# Altium PCB PCB_MOPA.PcbDoc (part 2 of 2)
Units mm, origin at the board's own origin, x right, y up, seen from the top; angles counter-clockwise.
Board outline 65 x 56 mm, 4 copper layers (Top Layer, Top Ref, Bottom Ref, Bottom Layer), stack 1.566 mm thick; 129 components, 95 nets, 517 pads, 233 vias.
Unrouted connection lines stored in the file: 39.
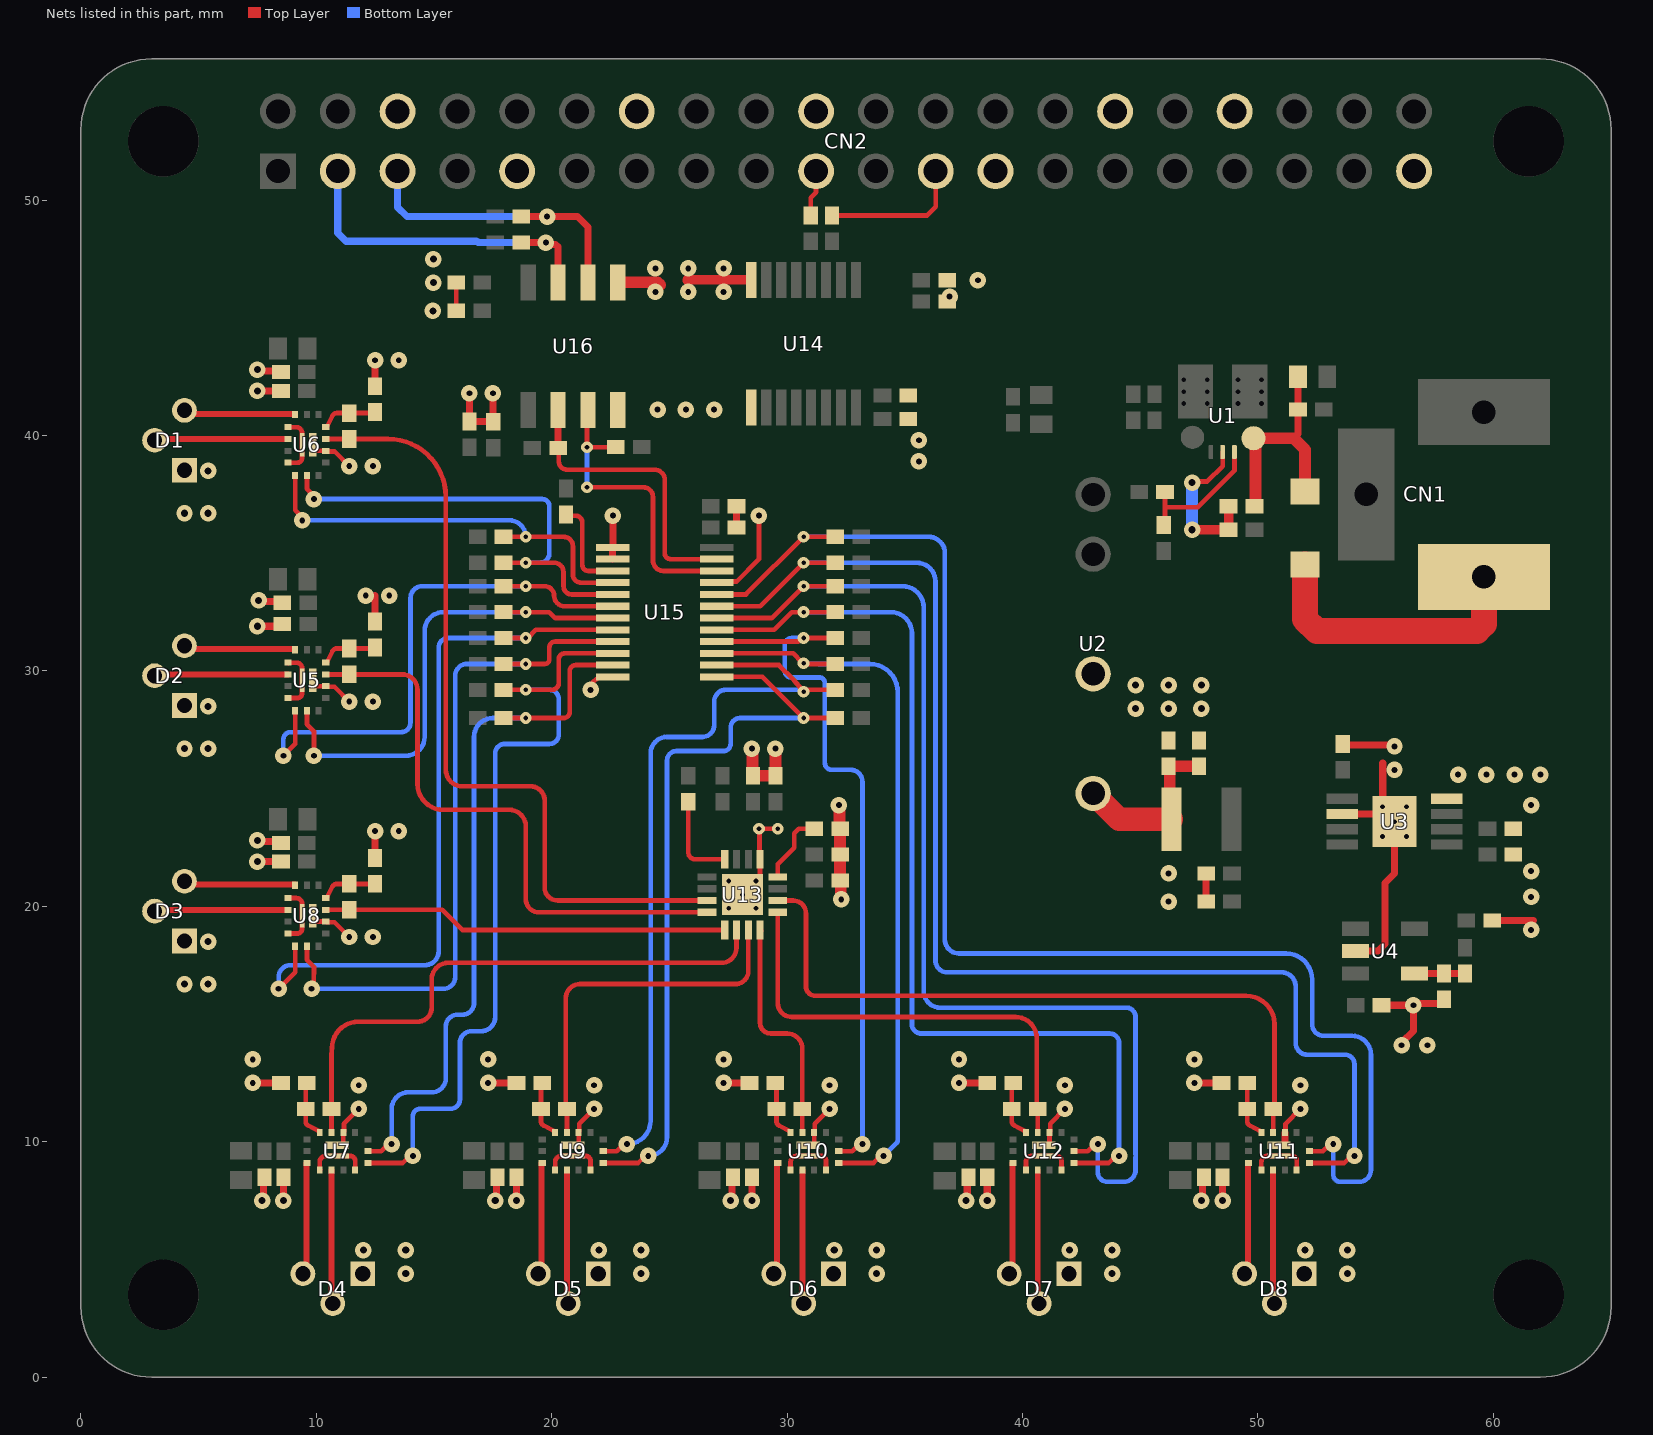
[diagram p4: the nets of this part, all layers, seen from the top]

## Via types
v1: diameter 0.7, hole 0.25, Top Layer to Bottom Layer, tented both sides, 109 vias
v2: diameter 0.7, hole 0.3, Top Layer to Bottom Layer, tented both sides, 97 vias
v3: diameter 0.5, hole 0.2, Top Layer to Bottom Layer, tented both sides, 24 vias
v4: diameter 1.4, hole 0.6, Top Layer to Bottom Layer, tented both sides, 2 vias
v5: diameter 1, hole 0.5, Top Layer to Bottom Layer, tented both sides, 1 vias

## Nets (pads, with @x,y where several pads share a name; then routed paths per layer and width w, separated by ;. In a path a pad name is that pad's centre, name@x,y a point inside that pad or via, vN(x,y) a via of type N, cw(c..) or ccw(c..) an arc to the next point about the centre after c; other vN are vias at no path point) (continued)
GND2: C7.1 C8.1 C9.1 C10.1 C11.1 C12.1 C13.1 C14.1 C15.1 C16.1 C17.1 C18.1 C19.1 C20.1 C21.1 C22.1 C23.1 C24.1 C25.1 C26.1 C27.1 C28.1 C29.1 C30.1 C31.1 C32.1 C33.1 C34.1 C35.1 C36.1 C37.1 C38.1 C41.1 C42.1 C43.1 C46.1 D1.1 D2.1 D3.1 D4.1 D5.1 D6.1 D7.1 D8.1 R6.2 R13.2 R14.2 R21.2 R22.2 R29.2 R30.2 R37.2 R38.2 U2.4 U3.4 U3.6 U3.9 U4.2 U5.9 U5.16 U6.9 U6.16 U7.9 U7.16 U8.9 U8.16 U9.9 U9.16 U10.9 U10.16 U11.9 U11.16 U12.9 U12.16 U13.9 U13.17 U14.9 U15.1 U15.2 U15.12 U15.21 U16.4 | length 83.4
  Top Layer w0.2: U8.16@9.85,19.605 9.85,19.407 9.902,19.355 U8.9@10.4,19.355 ; U5.16@9.85,29.605 9.85,29.407 9.902,29.355 U5.9@10.4,29.355 ; U6.16@9.85,39.605 9.85,39.407 9.902,39.355 U6.9@10.4,39.355 ; U8.9@10.427,19.328 10.772,19.328 v1(11.4,18.7) ; U5.9@10.427,29.328 10.772,29.328 v1(11.4,28.7) ; U6.9@10.427,39.328 10.772,39.328 v1(11.4,38.7) ; U7.16@10.895,9.85 11.093,9.85 11.145,9.902 U7.9@11.145,10.4 ; U7.9@11.172,10.427 11.172,10.772 v1(11.8,11.4) ; U9.16@20.895,9.85 21.093,9.85 21.145,9.902 U9.9@21.145,10.4 ; U9.9@21.172,10.427 21.172,10.772 v1(21.8,11.4) ; v1(21.65,29.2) cw(c22.2,29.2) 22.2,29.75 U15.12@22.588,29.75 ; U15.21@27.012,33.75 27.062,33.8 27.849,33.8 28.8,34.751 v1(28.8,36.6) ; U13.17@28.68,21.08 ccw(c28.27,21.49) 28.85,21.49 U13.9@28.85,22 28.825,22.025 28.825,23.275 v3(28.8,23.3) v3(29.6,23.3) ; U10.16@30.895,9.85 31.093,9.85 31.145,9.902 U10.9@31.145,10.4 ; U10.9@31.172,10.427 31.172,10.772 v1(31.8,11.4) ; U12.16@40.895,9.85 41.093,9.85 41.145,9.902 U12.9@41.145,10.4 ; U12.9@41.172,10.427 41.172,10.772 v1(41.8,11.4) ; U11.16@50.895,9.85 51.093,9.85 U11.16@51.145,9.902 ; U11.9@51.145,10.4 51.172,10.427 51.172,10.772 v1(51.8,11.4)
  Top Layer w0.3: v1(7.3,12.5) R21.2@8.45,12.5 ; v2(7.5,21.9) C22.1@8.5,21.9 ; v2(7.5,31.9) C16.1@8.5,31.9 ; v2(7.5,41.9) C18.1@8.5,41.9 ; v2@7.55,22.75 C23.1@8.45,22.75 ; v2@7.55,42.75 C19.1@8.45,42.75 ; v2@7.6,32.95 C17.1@8.5,32.95 ; v2@7.75,7.55 C21.1@7.75,8.45 ; v2(8.6,7.5) C20.1@8.6,8.5 ; R22.2@12.495,22.055 12.498,22.057 12.498,23.198 v1(12.5,23.2) ; R13.2@12.5,32.05 12.5,33.2 ; R14.2@12.5,42.05 R14.2@12.5,42.1 v1(12.5,43.2) ; v1(16.5,41.8) C42.1@16.5,40.6 16.507,40.593 17.507,40.593 17.507,41.793 v1(17.5,41.8) ; v1(17.3,12.5) R29.2@18.45,12.5 ; v2@17.65,7.55 C25.1@17.65,8.45 ; v2(18.5,7.5) C24.1@18.5,8.5 ; U15.2@22.588,34.75 U15.1@22.588,35.25 22.6,35.25 v1(22.6,36.6) ; v1(27.3,12.5) R30.2@28.45,12.5 ; v2@27.65,7.55 C27.1@27.65,8.45 ; C41.1@27.85,36.1 C46.1@27.85,37 ; v2(28.5,7.5) C26.1@28.5,8.5 ; v1@28.75,36.55 ccw(c28.75,36.6) v1(28.8,36.6) ; v1(37.3,12.5) R38.2@38.45,12.5 ; v2(37.6,7.5) 37.65,7.55 37.65,8.45 C31.1@37.7,8.5 ; v2(38.5,7.5) C30.1@38.5,8.5 ; v1(47.3,12.5) R37.2@48.45,12.5 ; v2@47.65,7.55 C29.1@47.65,8.45 ; C10.1@47.8,20.2 C9.1@47.8,21.4 ; v2(48.5,7.5) C28.1@48.5,8.5 ; U11.16@51.145,9.902 U11.9@51.145,10.4 ; U3.6@53.584,23.925 55.421,23.925 55.746,23.6 U3.9@55.8,23.6 55.8,21.4 55.4,21 55.4,18.4 55.1,18.1 U4.2@54.15,18.1 ; C11.1@53.6,26.9 53.65,26.85 55.75,26.85 v1(55.8,26.8) ; C15.1@55.25,15.8 v1(56.6,15.8) ; U3.9@55.292,24.235 55.3,24.243 55.3,26.1 ; v1(56.1,14.1) 56.1,14.208 56.6,14.708 v1(56.6,15.8) ; R6.2@57.9,16.05 57.9,16.027 57.75,15.877 56.677,15.877 v1(56.6,15.8) ; C14.1@59.95,19.4 61.7,19.4
  Top Layer w0.5: v1(28.5,26.7) 28.525,26.675 28.525,25.575 C32.1@28.55,25.55 C33.1@29.5,25.55 v1(29.5,26.7) ; v1(32.2,24.3) 32.225,24.275 32.225,23.325 C36.1@32.25,23.3 C34.1@32.25,22.2 C35.1@32.25,21.1 32.275,21.075 32.275,20.325 v1(32.3,20.3)
  other v1: 11.8,12.4 21.8,12.4 31.8,12.4 41.8,12.4 51.8,12.4 7.3,13.5 17.3,13.5 27.3,13.5 37.3,13.5 47.3,13.5 57.2,14.1 12.4,18.7 61.6,19 46.2,20.2 61.6,20.4 46.2,21.4 61.6,21.5 13.5,23.2 61.6,24.3 58.5,25.6 59.7,25.6 60.9,25.6 62,25.6 55.8,25.8 12.4,28.7 12.1,33.2 13.1,33.2 12.4,38.7 35.6,38.9 35.6,39.8 24.5,41.1 25.7,41.1 26.9,41.1 13.5,43.2
  other v2: 13.8,4.4 23.8,4.4 33.8,4.4 43.8,4.4 53.8,4.4 12,5.4 13.8,5.4 22,5.4 23.8,5.4 32,5.4 33.8,5.4 42,5.4 43.8,5.4 52,5.4 53.8,5.4 7.7,7.5 17.6,7.5 27.6,7.5 47.6,7.5 4.4,16.7 5.4,16.7 5.4,18.5 7.5,22.8 4.4,26.7 5.4,26.7 44.8,28.4 46.2,28.4 47.6,28.4 5.4,28.5 44.8,29.4 46.2,29.4 47.6,29.4 7.55,33 4.4,36.7 5.4,36.7 5.4,38.5 7.5,42.8
GNDRB: C39.1 C40.1 C44.1 C45.1 CN2.6 CN2.9 CN2.14 CN2.20 CN2.25 CN2.30 CN2.34 CN2.39 U14.8 U16.5 | length 5.7
  Top Layer w0.2: C45.1@15.95,45.3 C44.1@15.95,46.5
  Top Layer w0.4: 25.811,46.611 U14.8@28.478,46.611
  Top Layer w0.5: U16.5@22.805,46.512 24.488,46.512 24.6,46.4 ; 25.8,46.6 25.811,46.611
  other v1: 36.9,45.9 24.4,46.1 25.8,46.1 27.3,46.1 38.1,46.6 24.4,47.1 25.8,47.1 27.3,47.1
  other v2: 14.95,45.3 14.975,46.5 14.975,47.5
NetC3_2: C3.2 C4.2 DF1.1 R2.1 U1.1 | length 9.8
  Top Layer w0.2: DF1.1@51.996,37.625 DF1.1@52.046,37.625
  Top Layer w0.3: 51.513,39.887 51.7,40.075 C4.2@51.7,41.1 C3.2@51.7,42.5
  Top Layer w0.5: U1.1@49.812,39.887 U1.1@49.9,39.887 ; R2.1@49.85,37 49.9,37.05 U1.1@49.9,39.887 ; DF1.1@51.996,37.625 52,37.629 52,39.4 51.513,39.887 U1.1@49.9,39.887
NetC7_2: C7.2 C8.2 LF1.2 U2.6 | length 7.4
  Top Layer w0.5: LF1.2@46.324,23.7 46.25,23.774 46.25,25.9 C8.2@46.2,25.95 C7.2@47.5,25.95
  Top Layer w1: U2.6@43,24.8 44.1,23.7 LF1.2@46.324,23.7
NetC36_2: C36.2 U13.8 | length 3.1
  Top Layer w0.2: U13.8@29.6,21.25 29.6,21.8 30.3,22.5 30.3,23.1 30.5,23.3 C36.2@31.15,23.3
NetCN2_19: CN2.19 R46.1 | length 2
  Top Layer w0.2: R46.1@31,49.35 31,50.1 31.23,50.33 CN2.19@31.23,51.23
NetCN2_23: CN2.23 R47.1 | length 5.8
  Top Layer w0.2: 32.2,49.35 35.95,49.35 36.317,49.717 36.317,50.161 36.31,50.168 CN2.23@36.31,51.23
NetD1_2: D1.2 U6.14 | length 4.8
  Top Layer w0.254: D1.2@4.4,41.07 4.545,40.925 U6.14@9.1,40.925
NetD1_3: D1.3 U6.2 | length 5.7
  Top Layer w0.254: D1.3@3.13,39.8 3.185,39.855 U6.2@8.8,39.855
NetD2_2: D2.2 U5.14 | length 4.8
  Top Layer w0.254: D2.2@4.4,31.07 4.545,30.925 U5.14@9.1,30.925
NetD2_3: D2.3 U5.2 | length 5.7
  Top Layer w0.254: D2.3@3.13,29.8 3.185,29.855 U5.2@8.8,29.855
NetD3_2: D3.2 U8.14 | length 4.8
  Top Layer w0.254: D3.2@4.4,21.07 4.545,20.925 U8.14@9.1,20.925
NetD3_3: D3.3 U8.2 | length 5.7
  Top Layer w0.254: D3.3@3.13,19.8 3.185,19.855 U8.2@8.8,19.855
NetD4_2: D4.2 U7.14 | length 4.8
  Top Layer w0.254: D4.2@9.43,4.4 9.575,4.545 U7.14@9.575,9.1
NetD4_3: D4.3 U7.2 | length 5.7
  Top Layer w0.254: U7.2@10.645,8.8 10.645,3.185 D4.3@10.7,3.13
NetD5_2: D5.2 U9.14 | length 4.8
  Top Layer w0.254: D5.2@19.43,4.4 19.575,4.545 U9.14@19.575,9.1
NetD5_3: D5.3 U9.2 | length 5.7
  Top Layer w0.254: U9.2@20.645,8.8 20.645,3.185 D5.3@20.7,3.13
NetD6_2: D6.2 U10.14 | length 4.8
  Top Layer w0.254: D6.2@29.43,4.4 29.575,4.545 U10.14@29.575,9.1
NetD6_3: D6.3 U10.2 | length 5.7
  Top Layer w0.254: U10.2@30.645,8.8 30.645,3.185 D6.3@30.7,3.13
NetD7_2: D7.2 U12.14 | length 4.8
  Top Layer w0.254: D7.2@39.43,4.4 39.575,4.545 U12.14@39.575,9.1
NetD7_3: D7.3 U12.2 | length 5.7
  Top Layer w0.254: U12.2@40.645,8.8 40.645,3.185 D7.3@40.7,3.13
NetD8_2: D8.2 U11.14 | length 4.8
  Top Layer w0.254: D8.2@49.43,4.4 49.575,4.545 49.575,9.1 U11.14@49.6,9.1
NetD8_3: D8.3 U11.2 | length 5.7
  Top Layer w0.254: U11.2@50.645,8.8 50.645,3.185 D8.3@50.7,3.13
NetR1_2: R1.2 R3.1 U1.7 | length 5.8
  Top Layer w0.2: R3.1@46,36.2 46.05,36.25 46.05,36.925 ; R1.2@46.05,37.6 46.05,36.925 ; U1.7@49,39.3 49,38.5 47.45,36.95 46.075,36.95 46.05,36.925
NetR2_2: R2.2 R4.1 U1.6 | length 6.7
  Top Layer w0.2: v2(47.2,38) 47.25,38.05 47.85,38.05 48.5,38.7 U1.6@48.5,39.3
  Top Layer w0.4: v2(47.2,36) R4.1@48.75,36 R2.2@48.75,37
  Bottom Layer w0.5: v2(47.2,36) v2(47.2,38)
NetR5_2: R5.2 R6.1 U4.4 | length 2.1
  Top Layer w0.3: U4.4@56.65,17.15 R6.1@57.9,17.15 R5.2@58.8,17.15
NetR7_2: R7.2 U5.6 U15.7 | length 21.2
  Top Layer w0.2: U5.6@9.6,28.309 9.6,27.739 9.9,27.439 v1(9.9,26.4) ; R7.2@17.953,32.497 R7.2@17.95,32.5 v3(18.9,32.5) 19.9,32.5 20.15,32.25 U15.7@22.588,32.25
  Bottom Layer w0.2: v1(9.9,26.4) 13.8,26.4 ccw(c13.8,27.2) 14.6,27.2 14.6,31.7 cw(c15.4,31.7) 15.4,32.5 v3(18.9,32.5)
NetR8_2: R8.2 U5.5 U15.6 | length 24.2
  Top Layer w0.2: v1(8.6,26.4) 9.1,26.9 U5.5@9.1,28.309 ; R8.2@17.95,33.6 v3(18.9,33.6) 19.7,33.6 cw(c19.7,33.2) 20.1,33.2 ccw(c20.55,33.2) 20.55,32.75 U15.6@22.588,32.75
  Bottom Layer w0.2: v1(8.6,26.4) 8.6,27.1 cw(c8.9,27.1) 8.9,27.4 13.6,27.4 ccw(c13.6,27.8) 14,27.8 14,33.1 cw(c14.5,33.1) 14.5,33.6 v3(18.9,33.6)
NetR9_2: R9.2 U6.6 U15.5 | length 20.2
  Top Layer w0.2: U6.6@9.6,38.309 9.6,37.739 9.9,37.439 v1(9.9,37.303) ; R9.2@17.95,34.6 v3(18.9,34.6) 20.1,34.6 cw(c20.1,34.2) 20.5,34.2 20.5,33.6 ccw(c20.85,33.6) 20.85,33.25 U15.5@22.588,33.25
  Bottom Layer w0.2: v1(9.9,37.303) 19.597,37.303 cw(c19.597,37) 19.9,37 19.9,35 cw(c19.5,35) 19.5,34.6 v3(18.9,34.6)
NetR10_2: R10.2 U6.5 U15.4 | length 18.2
  Top Layer w0.2: U6.5@9.1,38.309 9.1,36.835 9.4,36.535 v1(9.4,36.4) ; R10.2@17.95,35.7 v3(18.9,35.7) 20.5,35.7 cw(c20.5,35.3) 20.9,35.3 20.9,34.1 ccw(c21.25,34.1) 21.25,33.75 U15.4@22.588,33.75
  Bottom Layer w0.2: v1(9.4,36.4) 18.2,36.4 cw(c18.2,35.7) v3(18.9,35.7)
NetR11_2: R11.2 R13.1 U5.11 | length 2.4
  Top Layer w0.2: U5.11@10.453,30.382 10.689,30.846 cw(c10.867,30.755) 10.867,30.955 R11.2@11.4,30.955 R13.1@12.495,30.955
NetR12_2: R12.2 R14.1 U6.11 | length 2.4
  Top Layer w0.2: U6.11@10.453,40.382 10.689,40.846 cw(c10.867,40.755) 10.867,40.955 R12.2@11.4,40.955 R14.1@12.495,40.955
NetR15_2: R15.2 U7.6 U15.11 | length 30.4
  Top Layer w0.2: U7.6@12.191,9.6 12.761,9.6 13.061,9.9 v1(13.197,9.9) ; R15.2@17.953,27.997 R15.2@17.95,28 v3(18.9,28) 20.5,28 ccw(c20.5,28.265) 20.765,28.265 20.765,30 cw(c21.015,30) 21.015,30.25 U15.11@22.588,30.25
  Bottom Layer w0.2: v1(13.197,9.9) 13.2,9.9 13.2,11.4 cw(c13.9,11.4) 13.9,12.1 14.9,12.1 ccw(c14.9,12.7) 15.5,12.7 15.5,14.9 cw(c16,14.9) 16,15.4 16.2,15.4 ccw(c16.2,15.9) 16.7,15.9 16.7,27.2 cw(c17.5,27.2) 17.5,28 v3(18.9,28) v3@18.9,27.9
NetR16_2: R16.2 U7.5 U15.10 | length 34.3
  Top Layer w0.2: U7.5@12.191,9.1 13.665,9.1 13.965,9.4 v1(14.1,9.4) ; R16.2@17.95,29.2 v3(18.9,29.2) 20,29.2 ccw(c20,29.5) 20.3,29.5 20.3,30.5 cw(c20.55,30.5) 20.55,30.75 U15.10@22.588,30.75
  Bottom Layer w0.2: v1(14.1,9.4) 14.1,11.1 cw(c14.4,11.1) 14.4,11.4 15.7,11.4 ccw(c15.7,11.8) 16.1,11.8 16.1,14.2 cw(c16.6,14.2) 16.6,14.7 17,14.7 ccw(c17,15.3) 17.6,15.3 17.6,26.5 cw(c18,26.5) 18,26.9 19.9,26.9 ccw(c19.9,27.3) 20.3,27.3 20.3,28.8 ccw(c19.9,28.8) 19.9,29.2 v3(18.9,29.2) cw(c19,29.2) v3@19,29.3
NetR17_2: R17.2 U8.6 U15.9 | length 29.8
  Top Layer w0.2: U8.6@9.6,18.309 9.6,17.739 9.9,17.439 9.9,17.135 9.896,17.131 9.896,16.596 v1(9.8,16.5) ; R17.2@17.953,30.297 R17.2@17.95,30.3 v3(18.9,30.3) 19.7,30.3 ccw(c19.7,30.5) 19.9,30.5 19.9,31 cw(c20.15,31) 20.15,31.25 U15.9@22.588,31.25
  Bottom Layer w0.2: v1(9.8,16.5) 15.4,16.5 ccw(c15.4,17) 15.9,17 15.9,29.8 cw(c16.4,29.8) 16.4,30.3 v3(18.9,30.3)
NetR18_2: R18.2 U8.5 U15.8 | length 31.6
  Top Layer w0.2: v1(8.4,16.5) 9.1,17.2 U8.5@9.1,18.309 ; R18.2@17.95,31.4 v3(18.9,31.4) 18.978,31.4 19.328,31.75 U15.8@22.588,31.75
  Bottom Layer w0.2: v1(8.4,16.5) 8.4,17 cw(c8.9,17) 8.9,17.5 14.6,17.5 ccw(c14.6,18.1) 15.2,18.1 15.2,31 cw(c15.6,31) 15.6,31.4 v3(18.9,31.4)
NetR19_2: R19.2 R21.1 U7.11 | length 2.4
  Top Layer w0.2: R21.1@9.545,12.495 R19.2@9.545,11.4 9.545,10.867 ccw(c9.745,10.867) 9.654,10.689 U7.11@10.118,10.453
NetR20_2: R20.2 R22.1 U8.11 | length 2.4
  Top Layer w0.2: U8.11@10.453,20.382 10.689,20.846 cw(c10.867,20.755) 10.867,20.955 R20.2@11.4,20.955 R22.1@12.495,20.955
NetR23_2: R23.2 U9.6 U15.14 | length 32.3
  Top Layer w0.2: U9.6@22.191,9.6 22.761,9.6 23.061,9.9 v1(23.197,9.9) ; U15.14@27.012,30.25 29.65,30.25 30.28,29.62 cw(c30.139,29.478) 30.292,29.607 v3(30.7,29.121) ; v3@30.7,29.2 R23.2@32.05,29.2
  Bottom Layer w0.2: v1(23.197,9.9) ccw(c23.197,10.903) 24.2,10.903 24.2,26.5 cw(c24.9,26.5) 24.9,27.2 26.4,27.2 ccw(c26.4,27.7) 26.9,27.7 26.9,28.7 cw(c27.4,28.7) 27.4,29.2 30.621,29.2 cw(c30.621,29.121) v3(30.7,29.121)
NetR24_2: R24.2 U9.5 U15.13 | length 32.2
  Top Layer w0.2: U9.5@22.191,9.1 23.665,9.1 23.965,9.4 v1(24.1,9.4) ; U15.13@27.012,29.75 28.95,29.75 v3(30.7,28) R24.2@32.05,28
  Bottom Layer w0.2: v1(24.1,9.4) ccw(c24.1,10.2) 24.9,10.2 24.9,26.2 cw(c25.3,26.2) 25.3,26.6 27.3,26.6 ccw(c27.3,26.9) 27.6,26.9 27.6,27.6 cw(c28,27.6) 28,28 v3(30.7,28)
NetR25_2: R25.2 U10.6 U15.16 | length 31.1
  Top Layer w0.2: U15.16@27.012,31.25 30.469,31.25 30.619,31.4 v3(30.7,31.4) R25.2@32.05,31.4 R25.2@32.047,31.403 ; U10.6@32.191,9.6 32.761,9.6 33.061,9.9 v1(33.197,9.9)
  Bottom Layer w0.2: v3(30.7,31.4) 30.2,31.4 ccw(c30.2,31.1) 29.9,31.1 29.9,30 ccw(c30.175,30) 30.175,29.725 31.375,29.725 cw(c31.375,29.5) 31.6,29.5 31.6,26.1 ccw(c31.9,26.1) 31.9,25.8 32.697,25.8 cw(c32.697,25.3) 33.197,25.3 v1(33.197,9.9)
NetR26_2: R26.2 U10.5 U15.15 | length 31.9
  Top Layer w0.2: U15.15@27.012,30.75 30.25,30.75 30.623,30.377 ccw(c30.764,30.519) 30.691,30.333 v3(30.7,30.329) ; v3@30.7,30.3 R26.2@32.05,30.3 ; U10.5@32.191,9.1 33.665,9.1 33.965,9.4 v1(34.1,9.4)
  Bottom Layer w0.2: v3(30.7,30.329) 31.341,30.3 ccw(c31.35,30.5) 31.35,30.3 33.5,30.3 cw(c33.5,29.1) 34.7,29.1 34.704,14.6 cw(c34,14.6) 34.704,14.598 34.7,10.083 cw(c34.5,10.083) 34.641,9.941 v1(34.1,9.4)
NetR27_2: R27.2 R29.1 U9.11 | length 2.4
  Top Layer w0.2: R29.1@19.545,12.495 R27.2@19.545,11.4 19.545,10.867 ccw(c19.745,10.867) 19.654,10.689 U9.11@20.118,10.453
NetR28_2: R28.2 R30.1 U10.11 | length 2.4
  Top Layer w0.2: R30.1@29.545,12.495 R28.2@29.545,11.4 29.545,10.867 ccw(c29.745,10.867) 29.654,10.689 U10.11@30.118,10.453
NetR31_2: R31.2 U11.6 U15.20 | length 60
  Top Layer w0.2: U15.20@27.012,33.25 28.25,33.25 v3(30.7,35.7) R31.2@32.05,35.7 ; U11.6@52.191,9.6 52.761,9.6 53.061,9.9 v1(53.197,9.9)
  Bottom Layer w0.2: v3(30.7,35.7) 36,35.7 cw(c36,35) 36.7,35 36.7,18.6 ccw(c37.3,18.6) 37.3,18 51.2,18 cw(c51.2,16.9) 52.3,16.9 52.3,15 ccw(c52.8,15) 52.8,14.5 54,14.5 cw(c54,13.7) 54.8,13.7 54.8,9.484 ccw(c55,9.485) 54.801,9.467 cw(c54.1,9.4) 54.801,9.333 ccw(c55,9.315) 54.8,9.316 54.8,8.8 cw(c54.3,8.8) 54.3,8.3 53.5,8.3 cw(c53.5,8.6) 53.2,8.6 53.2,9.9 v1(53.197,9.9)
NetR32_2: R32.2 U11.5 U15.19 | length 55.2
  Top Layer w0.2: U15.19@27.012,32.75 28.85,32.75 v3(30.7,34.6) R32.2@32.05,34.6 ; U11.5@52.191,9.1 53.665,9.1 53.965,9.4 v1(54.1,9.4)
  Bottom Layer w0.2: v3(30.7,34.6) 35.5,34.6 cw(c35.5,33.8) 36.3,33.8 36.3,17.7 ccw(c36.8,17.7) 36.8,17.2 51,17.2 cw(c51,16.6) 51.6,16.6 51.6,14.2 ccw(c52.1,14.2) 52.1,13.7 53.7,13.7 cw(c53.7,13.3) 54.1,13.3 v1(54.1,9.4)
NetR33_2: R33.2 U12.6 U15.18 | length 48.1
  Top Layer w0.2: U15.18@27.012,32.25 29.35,32.25 v3(30.7,33.6) R33.2@32.05,33.6 ; U12.6@42.191,9.6 42.761,9.6 43.061,9.9 v1(43.197,9.9)
  Bottom Layer w0.2: v3(30.7,33.6) 34.9,33.6 cw(c34.9,32.7) 35.8,32.7 35.8,16.4 ccw(c36.5,16.4) 36.5,15.7 44.4,15.7 cw(c44.4,15.3) 44.8,15.3 44.8,9.484 ccw(c45,9.485) 44.801,9.467 cw(c44.1,9.4) 44.801,9.333 ccw(c45,9.315) 44.8,9.316 44.8,8.8 cw(c44.3,8.8) 44.3,8.3 43.6,8.3 cw(c43.6,8.7) 43.2,8.7 43.2,9.9 v1(43.197,9.9)
NetR34_2: R34.2 U12.5 U15.17 | length 43.2
  Top Layer w0.2: U15.17@27.012,31.75 29.45,31.75 30.2,32.5 v3(30.7,32.5) R34.2@32.05,32.5 ; U12.5@42.191,9.1 43.665,9.1 43.965,9.4 v1(44.1,9.4)
  Bottom Layer w0.2: v3(30.7,32.5) 34.4,32.5 cw(c34.4,31.6) 35.3,31.6 35.3,15 ccw(c35.7,15) 35.7,14.6 43.7,14.6 cw(c43.7,14.2) 44.1,14.2 v1(44.1,9.4)
NetR35_2: R35.2 R37.1 U11.11 | length 2.4
  Top Layer w0.2: R37.1@49.55,12.5 49.545,12.495 R35.2@49.545,11.4 49.545,10.867 ccw(c49.745,10.867) 49.654,10.689 50.118,10.453 U11.11@50.145,10.4
NetR36_2: R36.2 R38.1 U12.11 | length 2.4
  Top Layer w0.2: R38.1@39.545,12.495 R36.2@39.545,11.4 39.545,10.867 ccw(c39.745,10.867) 39.654,10.689 U12.11@40.118,10.453
NetR40_2: R40.2 U13.12 | length 3.9
  Top Layer w0.2: R40.2@25.8,24.45 25.8,22.3 ccw(c26.1,22.3) 26.1,22 U13.12@27.35,22
NetR41_2: R41.2 U15.3 | length 3.9
  Top Layer w0.2: R41.2@20.8,36.6 21,36.6 cw(c21,36.3) 21.3,36.3 21.3,34.5 ccw(c21.55,34.5) 21.55,34.25 U15.3@22.588,34.25
NetU5_1: U5.1 U5.4 U5.15 | length 2.5
  Top Layer w0.2: U5.4@8.8,28.85 9.2,28.85 ccw(c9.2,29.046) 9.396,29.046 ; U5.1@8.8,30.355 9.145,30.355 cw(c9.145,30.1) 9.383,30.192 cw(c9.193,30.119) 9.396,30.112
  Top Layer w0.203: U5.4@8.8,28.85 U5.4@8.8,28.855 ; U5.1@8.8,30.355 U5.1@8.812,30.343 ; 9.396,29.046 9.396,30.1 cw(c9.698,30.1) 9.396,30.112
NetU6_1: U6.1 U6.4 U6.15 | length 2.5
  Top Layer w0.2: U6.4@8.8,38.85 9.2,38.85 ccw(c9.2,39.046) 9.396,39.046 ; U6.1@8.8,40.355 9.145,40.355 cw(c9.145,40.1) 9.383,40.192 cw(c9.193,40.119) 9.396,40.112
  Top Layer w0.203: U6.4@8.8,38.85 U6.4@8.8,38.855 ; U6.1@8.8,40.355 U6.1@8.812,40.343 ; 9.396,39.046 9.396,40.1 cw(c9.698,40.1) 9.396,40.112
NetU7_1: U7.1 U7.4 U7.15 | length 2.5
  Top Layer w0.2: U7.1@10.145,8.8 10.145,9.145 cw(c10.4,9.145) 10.308,9.383 cw(c10.381,9.193) 10.388,9.396 ; 11.454,9.396 cw(c11.454,9.2) 11.65,9.2 U7.4@11.65,8.8
  Top Layer w0.203: U7.1@10.145,8.8 U7.1@10.157,8.812 ; 10.388,9.396 ccw(c10.4,9.698) 10.4,9.396 11.454,9.396 ; U7.4@11.645,8.8 U7.4@11.65,8.8
NetU8_1: U8.1 U8.4 U8.15 | length 2.5
  Top Layer w0.2: U8.4@8.8,18.85 9.2,18.85 ccw(c9.2,19.046) 9.396,19.046 ; U8.1@8.8,20.355 9.145,20.355 cw(c9.145,20.1) 9.383,20.192 cw(c9.193,20.119) 9.396,20.112
  Top Layer w0.203: U8.4@8.8,18.85 U8.4@8.8,18.855 ; U8.1@8.8,20.355 U8.1@8.812,20.343 ; 9.396,19.046 9.396,20.1 cw(c9.698,20.1) 9.396,20.112
NetU9_1: U9.1 U9.4 U9.15 | length 2.5
  Top Layer w0.2: U9.1@20.145,8.8 20.145,9.145 cw(c20.4,9.145) 20.308,9.383 cw(c20.381,9.193) 20.388,9.396 ; 21.454,9.396 cw(c21.454,9.2) 21.65,9.2 U9.4@21.65,8.8
  Top Layer w0.203: U9.1@20.145,8.8 U9.1@20.157,8.812 ; 20.388,9.396 ccw(c20.4,9.698) 20.4,9.396 21.454,9.396 ; U9.4@21.645,8.8 U9.4@21.65,8.8
NetU10_1: U10.1 U10.4 U10.15 | length 2.5
  Top Layer w0.2: U10.1@30.145,8.8 30.145,9.145 cw(c30.4,9.145) 30.308,9.383 cw(c30.381,9.193) 30.388,9.396 ; 31.454,9.396 cw(c31.454,9.2) 31.65,9.2 U10.4@31.65,8.8
  Top Layer w0.203: U10.1@30.145,8.8 U10.1@30.157,8.812 ; 30.388,9.396 ccw(c30.4,9.698) 30.4,9.396 31.454,9.396 ; U10.4@31.645,8.8 U10.4@31.65,8.8
NetU11_1: U11.1 U11.4 U11.15 | length 2.5
  Top Layer w0.2: U11.1@50.145,8.8 50.145,9.145 cw(c50.4,9.145) 50.308,9.383 cw(c50.381,9.193) 50.388,9.396 ; 51.454,9.396 cw(c51.454,9.2) 51.65,9.2 U11.4@51.65,8.8
  Top Layer w0.203: U11.1@50.145,8.8 U11.1@50.157,8.812 ; 50.388,9.396 ccw(c50.4,9.698) 50.4,9.396 51.454,9.396 ; U11.4@51.645,8.8 U11.4@51.65,8.8
NetU12_1: U12.1 U12.4 U12.15 | length 2.5
  Top Layer w0.2: U12.1@40.145,8.8 40.145,9.145 cw(c40.4,9.145) 40.308,9.383 cw(c40.381,9.193) 40.388,9.396 ; 41.454,9.396 cw(c41.454,9.2) 41.65,9.2 U12.4@41.65,8.8
  Top Layer w0.203: U12.1@40.145,8.8 U12.1@40.157,8.812 ; 40.388,9.396 ccw(c40.4,9.698) 40.4,9.396 41.454,9.396 ; U12.4@41.645,8.8 U12.4@41.65,8.8
PCA_SCL: CN2.5 R45.2 U16.6 | length 13.4
  Top Layer w0.3: R45.2@18.7,49.3 v1(19.8,49.3) 21.1,49.3 21.535,48.865 U16.6@21.535,46.512
  Bottom Layer w0.3: CN2.5@13.45,51.23 13.45,49.7 13.85,49.3 v1(19.8,49.3)
PCA_SCL_ISO: R43.2 U15.22 U16.3 | length 13.2
  Top Layer w0.2: v3(21.5,37.8) 23.9,37.8 cw(c23.9,37.4) 24.3,37.4 24.3,34.7 ccw(c24.75,34.7) 24.75,34.25 U15.22@27.012,34.25 ; U16.3@21.54,41.083 21.5,41.043 v3(21.5,39.5) 22.705,39.5 R43.2@22.717,39.513
  Bottom Layer w0.2: v3(21.5,37.8) v3(21.5,39.5)
PCA_SDA: CN2.3 R44.2 U16.7 | length 14.8
  Top Layer w0.3: R44.2@18.7,48.2 v1(19.75,48.2) ; v1@19.8,48.2 19.877,48.123 20.166,48.123 20.265,48.024 U16.7@20.265,46.512
  Bottom Layer w0.3: CN2.3@10.91,51.23 10.91,48.6 11.256,48.254 16.812,48.254 16.866,48.2 v1@19.8,48.2
PCA_SDA_ISO: R42.2 U15.23 U16.2 | length 12.6
  Top Layer w0.2: R42.2@20.27,39.48 cw(c20.27,39.45) 20.3,39.45 20.3,38.9 ccw(c20.649,38.9) 20.649,38.551 24.371,38.551 cw(c24.371,38.122) 24.8,38.122 24.8,35 ccw(c25.05,35) 25.05,34.75 U15.23@27.012,34.75
  Top Layer w0.3: U16.2@20.265,41.088 U16.2@20.27,41.083 R42.2@20.27,39.48
VF: CN1.1 DF1.2 | length 12.3
  Top Layer w1.1: DF1.2@51.996,34.525 51.996,32.204 52.5,31.7 59.3,31.7 59.6,32 CN1.1@59.6,34
VLOG_OUT1: R12.1 U6.10 U13.15 | length 34
  Top Layer w0.2: U6.10@10.4,39.855 13.045,39.855 cw(c13.045,37.4) 15.5,37.4 15.5,25.8 ccw(c16.2,25.8) 16.2,25.1 19.1,25.1 cw(c19.1,24.5) 19.7,24.5 19.7,20.8 ccw(c20.25,20.8) 20.25,20.25 U13.15@26.6,20.25
VLOG_OUT2: R11.1 U5.10 U13.16 | length 25
  Top Layer w0.2: U5.10@10.4,29.855 R11.1@11.4,29.855 13.645,29.855 cw(c13.645,29.2) 14.3,29.2 14.3,25.2 ccw(c15.4,25.2) 15.4,24.1 18.2,24.1 cw(c18.2,23.4) 18.9,23.4 18.9,20.3 ccw(c19.45,20.3) 19.45,19.75 U13.16@26.6,19.75
VLOG_OUT3: R20.1 U8.10 U13.1 | length 17.3
  Top Layer w0.2: U8.10@10.4,19.855 R20.1@11.4,19.855 15.345,19.855 16.2,19 U13.1@27.35,19
VLOG_OUT4: R19.1 U7.10 U13.2 | length 24.6
  Top Layer w0.2: U7.10@10.645,10.4 R19.1@10.645,11.4 10.645,13.745 cw(c12.2,13.745) 10.665,13.99 cw(c11.775,13.99) 11.216,14.949 cw(c11.775,13.99) 11.775,15.1 14.3,15.1 ccw(c14.3,15.7) 14.9,15.7 14.9,16.9 cw(c15.6,16.9) 15.6,17.6 27.2,17.6 ccw(c27.2,18.25) 27.85,18.25 U13.2@27.85,19 ccw(c27.85,18.95) U13.2@27.8,18.95
VLOG_OUT5: R27.1 U9.10 U13.3 | length 15.9
  Top Layer w0.2: U9.10@20.645,10.4 R27.1@20.645,11.4 cw(c20.645,11.445) 20.6,11.445 20.6,16.1 cw(c21.2,16.1) 21.2,16.7 27.8,16.7 ccw(c27.8,17.25) 28.35,17.25 U13.3@28.35,19
VLOG_OUT6: R28.1 U10.10 U13.4 | length 10
  Top Layer w0.2: U13.4@28.9,18.95 ccw(c28.85,18.95) U13.4@28.85,19 28.85,15.05 ccw(c29.3,15.05) 29.3,14.6 30,14.6 cw(c30,13.955) 30.645,13.955 R28.1@30.645,11.4 U10.10@30.645,10.4
VLOG_OUT7: R36.1 U12.10 U13.5 | length 19.7
  Top Layer w0.2: U13.5@29.6,19.75 29.6,15.9 ccw(c30.2,15.9) 30.2,15.3 31.698,15.304 cw(c31.7,14.6) 31.7,15.304 34,15.304 39.7,15.3 cw(c39.7,14.4) 40.6,14.4 40.6,11.445 ccw(c40.645,11.445) R36.1@40.645,11.4 U12.10@40.645,10.4
VLOG_OUT8: R35.1 U11.10 U13.6 | length 30.1
  Top Layer w0.2: U13.6@29.65,20.2 cw(c29.65,20.25) U13.6@29.6,20.25 30.25,20.25 cw(c30.25,19.7) 30.8,19.7 30.8,16.6 ccw(c31.2,16.6) 31.2,16.2 49.5,16.2 cw(c49.5,15) 50.7,15 50.7,11.455 cw(c50.645,11.455) R35.1@50.645,11.4 U11.10@50.645,10.4
pads on no net: CN1.3 CN2.2 CN2.4 CN2.7 CN2.8 CN2.10 CN2.11 CN2.12 CN2.13 CN2.15 CN2.16 CN2.18 CN2.22 CN2.26 CN2.27 CN2.28 CN2.29 CN2.31 CN2.32 CN2.33 CN2.35 CN2.36 CN2.37 CN2.38 CN2.40 U1.2 U1.5 U3.3 U3.7 U5.3 U5.7 U5.8 U5.12 U6.3 U6.7 U6.8 U6.12 U7.3 U7.7 U7.8 U7.12 U8.3 U8.7 U8.8 U8.12 U9.3 U9.7 U9.8 U9.12 U10.3 U10.7 U10.8 U10.12 U11.3 U11.7 U11.8 U11.12 U12.3 U12.7 U12.8 U12.12 U14.5 U14.7 U14.10 U14.12

## Polygon pours and split planes (outlines as drawn)
GND2 on Top Ref (split plane): 14.895,43.545 14.971,43.482 15.058,43.436 15.152,43.407 15.25,43.398 37.998,43.398 37.998,36 38.007,35.902 38.036,35.808 38.082,35.721 38.145,35.645 41.645,32.145 41.721,32.082 41.808,32.036 41.902,32.007 42,31.998 48.892,31.998 51.245,29.645 51.321,29.582 51.408,29.536 51.502,29.507 51.6,29.498 64.49,29.498 64.49,3 64.491,2.984 64.482,2.783 64.454,2.567 64.407,2.355 64.342,2.148 64.258,1.947 64.158,1.754 64.041,1.571 63.909,1.398 63.762,1.238 63.602,1.091 63.429,0.959 63.246,0.842 63.053,0.742 62.852,0.658 62.645,0.593 62.433,0.546 62.217,0.518 62.016,0.509 62,0.51 3,0.51 2.984,0.509 2.783,0.518 2.567,0.546 2.355,0.593 2.148,0.658 1.947,0.742 1.754,0.842 1.571,0.959 1.398,1.091 1.238,1.238 1.091,1.398 0.959,1.571 0.842,1.754 0.742,1.947 0.658,2.148 0.593,2.355 0.546,2.567 0.518,2.783 0.509,2.984 0.51,3 0.51,45.998 12.442,45.998
GND on Top Ref (split plane): 64.49,30.502 51.808,30.502 49.455,32.855 49.379,32.918 49.292,32.964 49.198,32.993 49.1,33.002 42.208,33.002 39.002,36.208 39.002,43.542 39.005,43.545 41.458,45.998 64.49,45.998
GNDRB on Top Ref (split plane): 62.217,55.482 62.433,55.454 62.645,55.407 62.852,55.342 63.053,55.258 63.246,55.158 63.429,55.041 63.602,54.909 63.762,54.762 63.909,54.602 64.041,54.429 64.158,54.246 64.258,54.053 64.342,53.852 64.407,53.645 64.454,53.433 64.482,53.217 64.491,53.016 64.49,53 64.49,47.002 41.25,47.002 41.152,46.993 41.058,46.964 40.971,46.918 40.895,46.855 38.538,44.499 38.5,44.502 38.402,44.493 38.308,44.464 38.221,44.418 38.202,44.402 15.458,44.402 13.005,46.855 12.929,46.918 12.842,46.964 12.748,46.993 12.65,47.002 0.51,47.002 0.51,53 0.509,53.016 0.518,53.217 0.546,53.433 0.593,53.645 0.658,53.852 0.742,54.053 0.842,54.246 0.959,54.429 1.091,54.602 1.238,54.762 1.398,54.909 1.571,55.041 1.754,55.158 1.947,55.258 2.148,55.342 2.355,55.407 2.567,55.454 2.783,55.482 2.984,55.491 3,55.49 62,55.49 62.016,55.491
+5V_ISO on Bottom Ref (split plane): 14.895,43.545 14.971,43.482 15.058,43.436 15.152,43.407 15.25,43.398 37.998,43.398 37.998,36 38.007,35.902 38.036,35.808 38.082,35.721 38.145,35.645 41.645,32.145 41.721,32.082 41.808,32.036 41.902,32.007 42,31.998 48.892,31.998 51.245,29.645 51.321,29.582 51.408,29.536 51.502,29.507 51.6,29.498 64.49,29.498 64.49,3 64.491,2.984 64.482,2.783 64.454,2.567 64.407,2.355 64.342,2.148 64.258,1.947 64.158,1.754 64.041,1.571 63.909,1.398 63.762,1.238 63.602,1.091 63.429,0.959 63.246,0.842 63.053,0.742 62.852,0.658 62.645,0.593 62.433,0.546 62.217,0.518 62.016,0.509 62,0.51 3,0.51 2.984,0.509 2.783,0.518 2.567,0.546 2.355,0.593 2.148,0.658 1.947,0.742 1.754,0.842 1.571,0.959 1.398,1.091 1.238,1.238 1.091,1.398 0.959,1.571 0.842,1.754 0.742,1.947 0.658,2.148 0.593,2.355 0.546,2.567 0.518,2.783 0.509,2.984 0.51,3 0.51,45.998 12.442,45.998
+5V on Bottom Ref (split plane): 64.49,30.502 51.808,30.502 49.455,32.855 49.379,32.918 49.292,32.964 49.198,32.993 49.1,33.002 42.208,33.002 39.002,36.208 39.002,43.542 39.005,43.545 41.458,45.998 64.49,45.998
+3V3RB on Bottom Ref (split plane): 62.217,55.482 62.433,55.454 62.645,55.407 62.852,55.342 63.053,55.258 63.246,55.158 63.429,55.041 63.602,54.909 63.762,54.762 63.909,54.602 64.041,54.429 64.158,54.246 64.258,54.053 64.342,53.852 64.407,53.645 64.454,53.433 64.482,53.217 64.491,53.016 64.49,53 64.49,47.002 41.25,47.002 41.152,46.993 41.058,46.964 40.971,46.918 40.895,46.855 38.442,44.402 15.458,44.402 13.005,46.855 12.929,46.918 12.842,46.964 12.748,46.993 12.65,47.002 0.51,47.002 0.51,53 0.509,53.016 0.518,53.217 0.546,53.433 0.593,53.645 0.658,53.852 0.742,54.053 0.842,54.246 0.959,54.429 1.091,54.602 1.238,54.762 1.398,54.909 1.571,55.041 1.754,55.158 1.947,55.258 2.148,55.342 2.355,55.407 2.567,55.454 2.783,55.482 2.984,55.491 3,55.49 62,55.49 62.016,55.491

## Other copper
Top Layer:
  region net +5V_ISO: 26.1,8.7 26.9,8.7 26.9,3.5 26.1,3.5
  region net +3V3_ISO: 16.3,27.1 17.4,27.1 17.4,25.8 16.3,25.8
  region net +5V_ISO_LDO: 57.652,23.5 59.948,23.5 59.948,20.5 57.652,20.5
  region net +3V3_ISO: 56.7,19.9 58.996,19.9 58.996,18.15 56.7,18.15
  region net GND2: 55.504,16.2 57.8,16.2 57.8,13.5 55.504,13.5
  region net GND2: 57.7,24.404 57.7,26.204 62.504,26.204 62.504,24.404
  region net GND2: 60.704,25.3 62.504,25.3 62.504,18.2 60.704,18.2
  region net GND2: 54.9,27.4 56.7,27.4 56.7,23.6 54.9,23.6
  region net +5V_ISO: 49,20.1 53.3,20.1 53.3,16.9 49,16.9
  region net GND: 56.6,45.5 62.7,45.5 62.7,44.2 56.6,44.2
  region net +5V_ISO_LDO: 32.9,41.9 34.3,41.9 34.3,38.9 32.9,38.9
  region net GND2: 27.8,35.9 27.8,37.2 29,37.2 29,35.9
  region net GND2: 45.6,21.9 47.85,21.9 47.85,19.3 45.6,19.3
  region net +3V3RB: 34.122,46.7 34.122,48 35.9,48 35.9,46.7
  region net GND2: 22.7,41.7 28.5,41.7 28.5,40.5 22.7,40.5
  region net GND2: 34.9,42.05 36.3,42.05 36.3,38.3 34.9,38.3
  region net +5V_ISO: 49,25.2 52.5,25.2 52.5,19.8 49,19.8
  region net GND2: 42.7,30.02 48.4,30.02 48.4,27 42.7,27
  region net GND: 42.7,35.1 50.3,35.1 50.3,33.4 42.7,33.4
  region net +5V: 44,43 44,36.5 41.5,36.5 41.5,43
  region net +5V: 41.5,43 47.55,43 47.55,42 41.5,42
  region net GND: 44.3,40.5 47.05,40.5 47.05,38.6 44.3,38.6
  region net GNDRB: 36.6,47.1 38.7,47.1 38.7,44.9 36.6,44.9
  region net +3V3RB: 32.922,45.9 32.922,47.2 35.9,47.2 35.9,45.9
  region net GNDRB: 27.9,45.5 23.7,45.5 23.7,47.7 27.9,47.7
  region net +5V_ISO_LDO: 31.3,24 30.1,24 30.1,26.2 31.3,26.2
  region net GND2: 32.8,23.825 31.6,23.825 31.6,24.9 32.8,24.9
  region net GND2: 3.7,36.05 3.7,39.15 5.9,39.15 5.9,36.05
  region net +5V_ISO: 8.7,35.6 8.7,33.7 6.4,33.7 6.4,35.6
  region net +5V_ISO: 8.7,45.6 8.7,43.5 6.4,43.5 6.4,45.6
  region net +5V_ISO_AN2: 10.1,34.4 10.1,31.5 9.827,31.196 9.685,31.021 9.504,31.018 9.303,31.402 9.2,31.601 9.2,34.4
  region net +5V_ISO_AN1: 10.1,44.4 10.1,41.5 9.827,41.196 9.685,41.021 9.504,41.018 9.303,41.402 9.2,41.601 9.2,44.4
  region net GND2: 11.8,43.8 14.2,43.8 14.2,42.05 11.8,42.05
  region net GND2: 11.072,39.178 10.804,39.446 10.754,39.489 10.542,39.489 10.537,39.483 10.537,39.228 10.634,39.228 10.791,39.07 10.791,38.718 10.833,38.676 11.07,38.676
  region net GND2: 13.132,39.175 13.132,38.025 10.9,38.025 10.9,39.175
  region net GND2: 3.7,16.05 3.7,19.15 5.9,19.15 5.9,16.05
  region net GND2: 3.7,26.05 3.7,29.15 5.9,29.15 5.9,26.05
  region net +5V_ISO: 8.7,25.6 8.7,23.5 6.4,23.5 6.4,25.6
  region net +5V_ISO_AN3: 10.1,24.4 10.1,21.5 9.827,21.196 9.685,21.021 9.504,21.018 9.303,21.402 9.2,21.601 9.2,24.4
  region net GND2: 11.072,29.178 10.804,29.446 10.754,29.489 10.542,29.489 10.537,29.483 10.537,29.228 10.634,29.228 10.791,29.07 10.791,28.718 10.833,28.676 11.07,28.676
  region net GND2: 13.132,29.175 13.132,28.025 10.9,28.025 10.9,29.175
  region net GND2: 11.072,19.178 10.804,19.446 10.754,19.489 10.542,19.489 10.537,19.483 10.537,19.228 10.634,19.228 10.791,19.07 10.791,18.718 10.833,18.676 11.07,18.676
  region net GND2: 11.8,23.8 14.2,23.8 14.2,22.05 11.8,22.05
  region net GND2: 13.132,19.175 13.132,18.025 10.9,18.025 10.9,19.175
  region net GND2: 11.4,33.8 13.8,33.8 13.8,32.05 11.4,32.05
  region net GNDRB: 15.925,47.025 15.6,47.35 15.6,47.775 15.475,47.9 14.075,47.9 13.875,47.75 13.9,47.775 13.875,47.75 13.875,46.275 15.475,44.675 15.475,44.65 15.85,44.65 15.925,44.725
  region net +3V3RB: 17,47 16.5,47.5 16.5,49.75 17.75,49.75 17.75,47.5 18,47.25 19,47.25 19,45 18.75,44.75 17,44.75
  region net GND2: 46.7,11.8 46.7,14.2 48.45,14.2 48.45,11.8
  region net GND2: 36.7,11.8 36.7,14.2 38.45,14.2 38.45,11.8
  region net GND2: 6.7,11.8 6.7,14.2 8.45,14.2 8.45,11.8
  region net GND2: 26.7,11.8 26.7,14.2 28.45,14.2 28.45,11.8
  region net GND2: 16.7,11.8 16.7,14.2 18.45,14.2 18.45,11.8
  region net GND2: 54.45,3.7 51.35,3.7 51.35,5.9 54.45,5.9
  region net GND2: 14.45,3.7 11.35,3.7 11.35,5.9 14.45,5.9
  region net GND2: 44.45,3.7 41.35,3.7 41.35,5.9 44.45,5.9
  region net GND2: 34.45,3.7 31.35,3.7 31.35,5.9 34.45,5.9
  region net GND2: 24.1,3.7 21.35,3.7 21.35,5.9 24.1,5.9
  region net +5V_ISO_AN4: 6.1,10.1 9,10.1 9.304,9.827 9.479,9.685 9.482,9.504 9.098,9.303 8.899,9.2 6.1,9.2
  region net GND2: 11.322,11.072 11.054,10.804 11.011,10.754 11.011,10.542 11.017,10.537 11.272,10.537 11.272,10.634 11.43,10.791 11.782,10.791 11.824,10.833 11.824,11.07
  region net +5V_ISO_AN5: 16.1,10.1 19,10.1 19.304,9.827 19.479,9.685 19.482,9.504 19.098,9.303 18.899,9.2 16.1,9.2
  region net GND2: 21.322,11.072 21.054,10.804 21.011,10.754 21.011,10.542 21.017,10.537 21.272,10.537 21.272,10.634 21.43,10.791 21.782,10.791 21.824,10.833 21.824,11.07
  region net +5V_ISO_AN8: 46.1,10.1 49,10.1 49.304,9.827 49.479,9.685 49.482,9.504 49.098,9.303 48.899,9.2 46.1,9.2
  region net GND2: 51.322,11.072 51.054,10.804 51.011,10.754 51.011,10.542 51.017,10.537 51.272,10.537 51.272,10.634 51.43,10.791 51.782,10.791 51.824,10.833 51.824,11.07
  region net +5V_ISO_AN7: 36.1,10.1 39,10.1 39.304,9.827 39.479,9.685 39.482,9.504 39.098,9.303 38.899,9.2 36.1,9.2
  region net GND2: 41.322,11.072 41.054,10.804 41.011,10.754 41.011,10.542 41.017,10.537 41.272,10.537 41.272,10.634 41.43,10.791 41.782,10.791 41.824,10.833 41.824,11.07
  region net GND2: 31.322,11.072 31.054,10.804 31.011,10.754 31.011,10.542 31.017,10.537 31.272,10.537 31.272,10.634 31.43,10.791 31.782,10.791 31.824,10.833 31.824,11.07
  region net +5V_ISO_AN6: 26.1,10.1 29,10.1 29.304,9.827 29.479,9.685 29.482,9.504 29.098,9.303 28.899,9.2 26.1,9.2
  region net GND2: 51.325,13.132 52.475,13.132 52.475,10.9 51.325,10.9
  region net GND2: 41.325,13.132 42.475,13.132 42.475,10.9 41.325,10.9
  region net GND2: 31.325,13.132 32.475,13.132 32.475,10.9 31.325,10.9
  region net GND2: 21.325,13.132 22.475,13.132 22.475,10.9 21.325,10.9
  region net GND2: 11.325,13.132 12.475,13.132 12.475,10.9 11.325,10.9
  region net +5V_ISO: 4.9,8.7 7,8.7 7,6.5 4.9,6.5
  region net +5V_ISO: 14.8,8.7 16.9,8.7 16.9,6.4 14.8,6.4
  region net +5V_ISO: 34.8,8.7 36.9,8.7 36.9,6.4 34.8,6.4
  region net +5V_ISO: 44.8,8.7 46.9,8.7 46.9,6.4 44.8,6.4
Top Ref (plane layer: these items are gaps in the copper):
  lines w1: 0,46.5 12.65,46.5 15.25,43.9 38.65,43.9 41.25,46.5 65,46.5 ; 38.5,44 38.5,36 42,32.5 47,32.5 49.1,32.5 51.6,30 65,30
Bottom Ref (plane layer: these items are gaps in the copper):
  lines w1: 0,46.5 12.65,46.5 15.25,43.9 38.65,43.9 41.25,46.5 64.75,46.5 ; 38.5,43.9 38.5,36 42,32.5 49.1,32.5 51.6,30 65,30

## Silkscreen, mask and mechanical layers (free items; w line width, h text height)
Top Overlay:
  drawing of 21 lines, arcs and shapes, not listed
  text "MOPA Board .Version" at 63.484,7.05 h1.2 r90
Board Layer Stack Bottom Overlay:
  drawing of 21 lines, arcs and shapes, not listed
  text "MOPA Board .Version" at 63.484,15.95 h1.2 r90
Mechanical 1:
  the board outline again, w0.254

## Text inside footprints (layer, text, board x,y; h text height)
CN2: Top Overlay "2" at 6.025,53.5 h1; Top Overlay "1" at 6.075,50.975 h1; Top Overlay "39" at 58.35,50.925 h1; Top Overlay "40" at 58.3,53.5 h1
U2: Top Overlay "*" at 42.365,41.043 h1 r270; Mechanical 13 "*" at 42.365,39.773 h1 r270
U3: Mechanical 13 "*" at 57.286,23.397 h1.27 r180